# Altium PCB mainboard.PcbDoc (part 1 of 2) (continued)
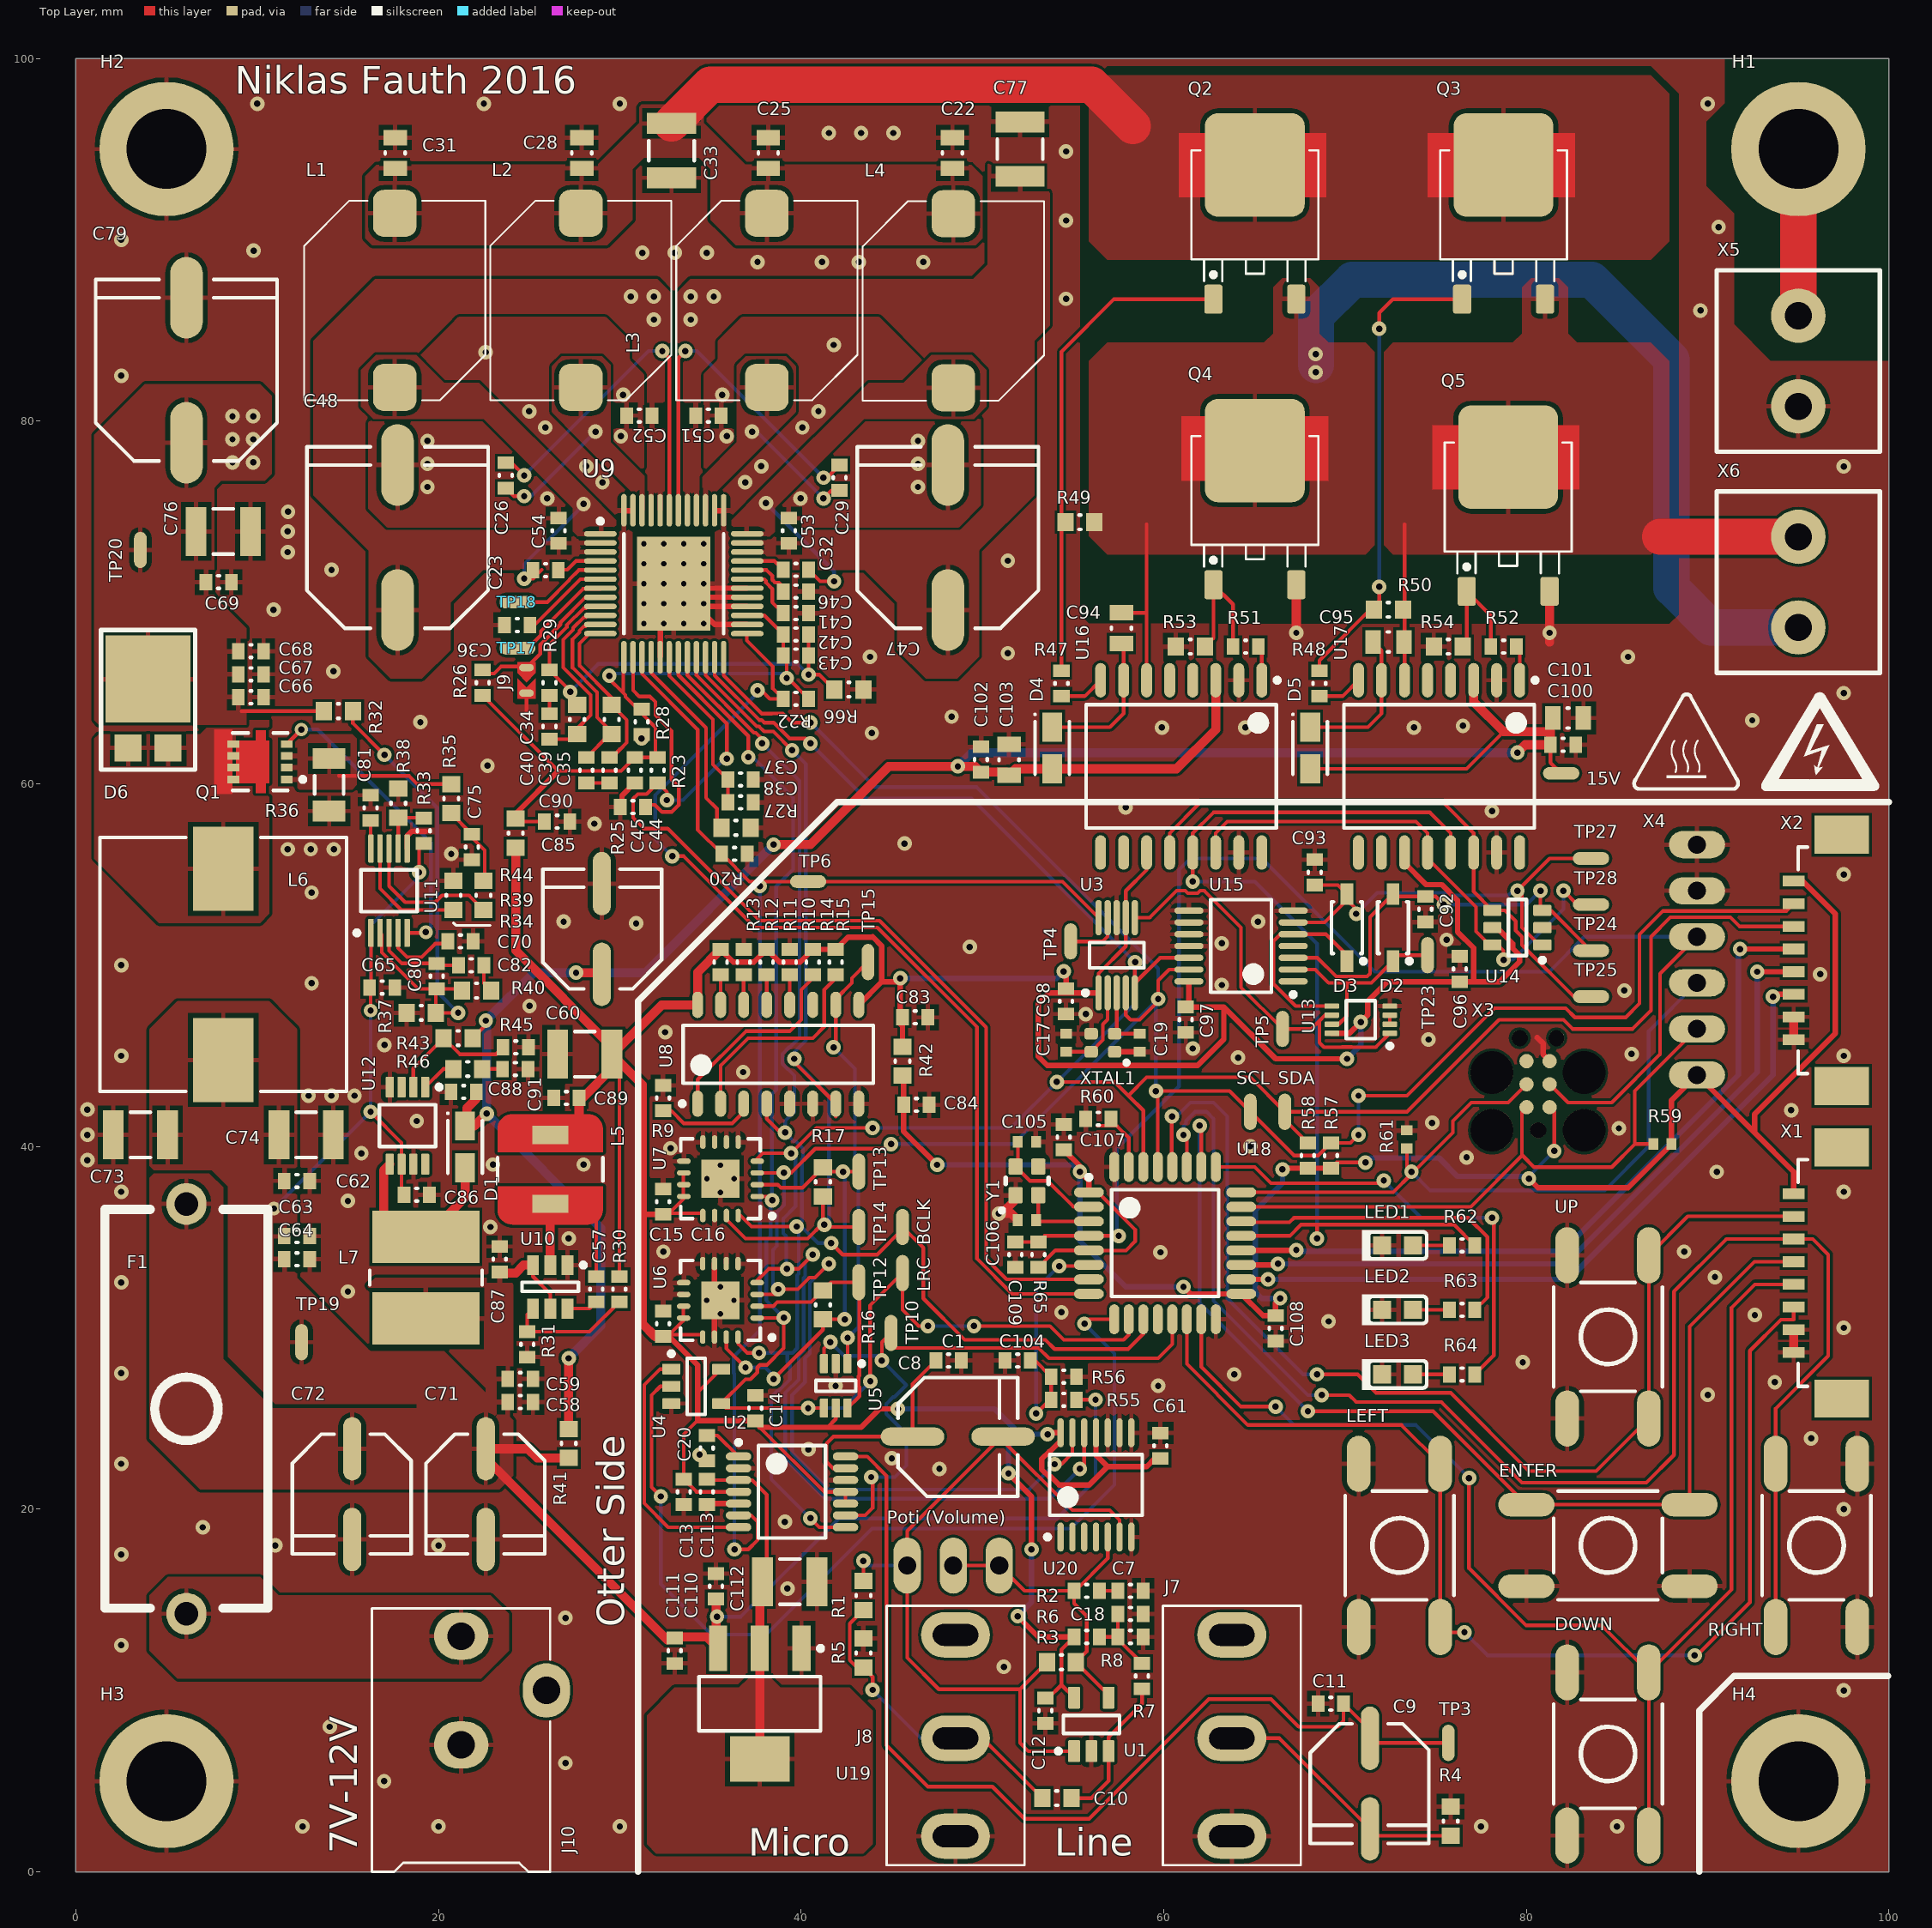
[diagram p0: Top Layer view]
## Components (designator, comment, footprint, x,y, rotation, side; value= is the part's Value field where it differs from the comment) (continued)
LRC "TP-SMD" TP 45.593,33.02 r90 top (schematic designator TP11)
"Poti (Volume)" "PINHEAD-3" PINHEAD-3 45.847,16.891 r0 top (schematic designator *1)
Q1 "NTTFS4930" ONSC-WDFN-8-511AB_V 10.16,61.214 r180 top
Q2 "IPD60R400" TO-252 65.024,90.424 r0 top
Q3 "IPD60R400" TO-252 78.74,90.424 r0 top
Q4 "IPD60R400" TO-252 65.024,74.676 r0 top
Q5 "IPD60R400" TO-252 78.993,74.312 r0 top
R1 "0" R-0603-M 43.434,15.24 r270 top
R2 "10k" R-0603-H 55.753,15.494 r0 top
R3 "100k" R-0603-M 54.356,11.557 r0 top
R4 "100k" R-0603-M 75.819,2.794 r270 top
R5 "100k" R-0603-M 43.434,12.065 r270 top
R6 "47k" R-0603-H 55.753,12.954 r180 top
R7 "470k" R-0603-H 58.801,10.795 r90 top
R8 "47k" R-0603-H 58.166,12.954 r180 top
R9 "10k" R-0603-H 32.385,42.672 r90 top
R10 "10k" R-0603-H 39.37,50.165 r90 top
R11 "10k" R-0603-H 38.1,50.165 r90 top
R12 "10k" R-0603-H 36.83,50.165 r90 top
R13 "10k" R-0603-H 35.56,50.165 r90 top
R14 "10k" R-0603-H 40.64,50.165 r90 top
R15 "10k" R-0603-H 41.91,50.165 r90 top
R16 "0" R-0603-M 41.199,31.267 r270 top
R17 "0" R-0603-M 41.199,38.049 r270 top
R20 "10k" R-0603-H 36.322,56.134 r180 top
R22 "10k" R-0603-H 39.709,64.686 r0 top
R23 "10k" R-0603-H 32.089,60.749 r90 top
R25 "10k" R-0603-H 30.723,58.717 r180 top
R26 "10k" R-0603-H 22.437,65.575 r90 top
R27 "18.3k" R-0603-M 36.407,57.574 r180 top
R28 "470" R-0603-H 29.422,60.749 r270 top
R29 "470" R-0603-H 26.12,65.575 r270 top
R30 "33k" R-0603-H 29.972,32.131 r90 top
R31 "10k" R-0603-H 24.892,29.083 r90 top
R32 "23.2k" R-0603-M 14.478,64.008 r180 top
R33 "10k" R-0603-H 19.177,57.404 r270 top
R34 "7.87k" R-0603-M 22.479,53.848 r90 top
R35 "100" R-0603-M 20.701,59.182 r90 top
R36 "0.02R" R-1206-M 13.97,59.944 r90 top
R37 "1.5k" R-0603-M 19.05,47.371 r0 top
R38 "3.09k" R-0603-M 17.78,58.928 r270 top
R39 "42.2k" R-0603-M 20.828,53.848 r270 top
R40 "1k" R-0603-M 22.1,48.592 r0 top
R41 "0" R-0603-M 27.178,23.622 r90 top
R42 "0" R-0603-M 45.593,44.704 r270 top
R43 "100k" R-0603-M 21.082,45.974 r0 top
R44 "0" R-0603-M 24.257,57.277 r90 top
R45 "10k" R-0603-H 24.257,45.466 r0 top
R46 "20k" R-0603-M 21.615,44.272 r180 top
R47 "3R3" R-0603-H 54.356,65.532 r90 top
R48 "3R3" R-0603-H 68.58,65.532 r90 top
R49 "100k" R-0603-M 55.372,74.422 r180 top
R50 "100k" R-0603-M 72.39,69.596 r180 top
R51 "3R3" R-0603-H 64.516,67.564 r180 top
R52 "3R3" R-0603-H 78.74,67.564 r180 top
R53 "100k" R-0603-M 61.468,67.564 r0 top
R54 "100k" R-0603-M 75.692,67.564 r0 top
R55 "2.2M" R-0603-H 54.483,26.035 r0 top
R56 "470k" R-0603-H 54.483,27.305 r180 top
R57 "4k7" R-0603-H 69.215,39.497 r270 top
R58 "4k7" R-0603-H 67.945,39.497 r270 top
R59 "24k" R-0402-M 87.503,40.132 r0 top
R60 "10k" R-0603-H 56.388,41.529 r0 top
R61 "24k" R-0402-M 73.406,40.386 r270 top
R62 "470" R-0603-H 76.454,34.544 r0 top
R63 "470" R-0603-H 76.454,30.988 r0 top
R64 "470" R-0603-H 76.454,27.432 r0 top
R65 "47k" R-0603-H 53.086,34.036 r270 top
R66 "0" R-0603-M 42.63,65.194 r0 top
RIGHT "RIGHT" BUTTON_TACT 96,18 r90 top (schematic designator SW3)
SCL "TP-SMD" TP 64.77,41.91 r90 top (schematic designator TP7)
SDA "TP-SMD" TP 66.675,41.91 r90 top (schematic designator TP8)
TP3 "TP-SMD" TP 75.692,7.112 r90 top
TP4 "TP-SMD" TP 54.864,51.308 r90 top
TP5 "TP-SMD" TP 66.548,46.482 r90 top
TP6 "TP-SMD" TP 40.386,54.61 r180 top
TP10 "TP-SMD" TP 44.958,29.718 r90 top
TP12 "TP-SMD" TP 43.18,32.512 r90 top
TP13 "TP-SMD" TP 43.18,38.608 r90 top
TP14 "TP-SMD" TP 43.18,35.56 r90 top
TP15 "TP-SMD" TP 43.688,50.165 r90 top
TP17 "TP-SMD" TP 24.342,67.48 r180 top
TP18 "TP-SMD" TP 24.342,70.02 r180 top
TP19 "TP-SMD" TP 12.446,29.21 r90 top
TP20 "TP-SMD" TP 3.556,72.898 r90 top
TP23 "TP-SMD" TP 74.549,50.546 r90 top
TP24 "TP-SMD" TP 83.566,50.8 r180 top
TP25 "TP-SMD" TP 83.566,48.26 r180 top
TP27 "TP-SMD" TP 83.566,55.88 r180 top
TP28 "TP-SMD" TP 83.566,53.34 r180 top
U1 "OPA313IDBVT" DBV0005A_M 56.007,8.128 r90 top
U2 "PCM1808" TSOP65P640X120-14N 39.497,20.955 r0 top
U3 "Si5351A-A-GT" SLAB-MSOP-10_M 57.404,50.546 r90 top
U4 "SN74LVC1G86DBVT" DBV0005A_N 34.214,26.772 r0 top
U5 "SN74AUP1T157" DCK0006A_M 41.91,26.797 r270 top
U6 "TPA5050" "QFN16-4x4-0.65 big holes" 35.544,31.514 r180 top
U7 "TPA5050" "QFN16-4x4-0.65 big holes" 35.553,38.217 r180 top
U8 "HEF4557" SOIC127P600X265-16N 38.735,45.085 r90 top
U9 "TI-TAS5715PHP48-4550X3600TP" TI-PHP48-4550X3600TP_N 32.975,71.032 r0 top
U10 "TPS563200" SOT23-6 26.162,32.258 r270 top
U11 "LM5022MM" DGS0010A_M 17.272,54.102 r90 top
U12 "LM2622MM-ADJ/NOPB" DGK0008A_L 18.288,41.148 r270 top
U13 "SN74LVC3G14DCUT" DCU0008A_N 70.866,46.99 r180 top
U14 "SN74LVC2G14DBVT" DBV0006A_N 79.502,52.07 r180 top
U15 "MAX5387MAUD+" MAXM-U14+1_N 64.262,51.054 r180 top
U16 "IR2110S" SOIC127P1030X265-16N 60.96,60.96 r270 top
U17 "IR2110S" SOIC127P1030X265-16N 75.184,60.96 r270 top
U18 "STM32F031K6T6" LQFP32 60.071,34.671 r0 top
U19 "LM1117-5.0" SOT-223 37.719,9.271 r270 top
U20 "MAX5387MAUD+" MAXM-U14+1_N 56.261,21.336 r90 top
UP "UP" BUTTON_TACT 84.5,29.5 r90 top (schematic designator SW1)
X1 "53261-0871" mlx-picoBlade-8p-right-SMD 94.742,33.02 r270 top
X2 "53261-0871" mlx-picoBlade-8p-right-SMD 94.742,50.262 r270 top
X3 "TC2050-IDC" TC2030-IDC 80.645,40.894 r90 top
X4 "22-28-4067" PINHEAD-MALE-6 89.408,43.942 r90 top
X5 "1935776" PHOENIX-2P-5mm 94.996,83.312 r270 top
X6 "1935776" PHOENIX-2P-5mm 94.996,71.12 r270 top
XTAL1 "25MHz" ABM11 56.642,45.72 r0 top
Y1 "16MHz" ABM10 52.451,38.1 r90 top

## Footprints (in the part's own frame and the unit in brackets; to place one, negate y for a bottom-side part, rotate by r counter-clockwise, add the part's x,y. Pads: shape width x height; smd on the part's side, far side on the other; paste and mask are expansions set on the pad)
ABM10 [mm]
  rrect25% 0.9x0.8 smd: 1(-0.787,-0.625) 2(0.788,-0.625) 3(0.788,0.625) 4(-0.787,0.625)
  silkscreen extent -1.72,-1.19 0.16,1.47, body extent -1.3,-1.05 1.3,1.05, height 0.71
ABM11 [mm]
  rrect50% 0.75x0.65 smd: 1(-0.65,-0.5) 2(0.65,-0.5) 3(0.65,0.5) 4(-0.65,0.5)
  silkscreen extent 1.2,-1.2 1.4,-1, body extent -1,-0.85 1,0.75, height 0.62
BUTTON_TACT [mm]
  oval 3.1x1.3 smd: 1(-4.5,2.25) 2(4.5,2.25) 3(-4.5,-2.25) 4(4.5,-2.25)
  silkscreen extent -3,-3 3,3, body extent -5,-3 5,3, height 5.07
C-0402-M [mm] "Chip Resistor, Body 1.0x0.5mm, IPC Medium Density"
  rect 0.55x0.65 smd: 1(-0.5,0) 2(0.5,0)
  body extent -0.52,-0.27 0.53,0.28, height 0.55
C-0603-H [mm] "Chip Resistor, Body 1.6x0.8mm, IPC High Density"
  rect 0.7x0.9 smd: 1(-0.7,0) 2(0.7,0)
  silkscreen extent -0.05,-0.35 0.05,0.35, body extent -0.85,-0.45 0.85,0.45, height 0.9
C-0603-M [mm] "Chip Resistor, Body 1.6x0.8mm, IPC Medium Density"
  rect 0.9x1 smd: 1(-0.8,0) 2(0.8,0)
  silkscreen extent -0.05,-0.4 0.05,0.4, body extent -0.85,-0.45 0.85,0.45, height 0.9
C-0805-H [mm] "Chip Resistor, Body 2.0x1.3mm, IPC High Density"
  rect 0.85x1.3 smd: 1(-0.85,0) 2(0.85,0)
  silkscreen extent -0.05,-0.55 0.05,0.55, body extent -1.1,-0.72 1.1,0.73, height 1.35
C-1210-M [mm] "Chip Resistor, Body 3.2x2.5mm, IPC Medium Density"
  rect 1.15x2.7 smd: 1(-1.5,0) 2(1.5,0)
  silkscreen extent -0.55,-1.25 0.55,1.25, body extent -1.8,-1.4 1.8,1.4, height 2.2
CONN_AudioJackMono [mm] "CUI MJ-3502 3.5mm audio jack - mono"
  oval 2.5x3.8 hole 1.2 slot 2.5 at 90 deg: 1(2.2,0) 2(7.6,0) 3(13.3,0)
  silkscreen extent 0.6,-3.8 14.9,3.8, body extent -4,-3.75 14.5,3.75, height 11.3
CONN_PWR_JACK_2.1x5.5mm [mm] "Power Connector, 2.1mm ID, 5.5mm OD"
  oval 3x2.6 hole 1.511: 1(0,-13.7) 2(0,-7.7)
  oval 2.6x3 hole 1.511: 3(-4.7,-10.7)
  silkscreen extent -4.9,-15.23 4.92,-0.7, body extent -4.9,-14.1 4.5,0, height 11
DBV0005A_M [mm] "SOT23, 5-Leads, Body 3.05x1.75mm, Pitch 0.95mm, IPC Low Density"
  rrect15% 1.2x0.65 smd: 1(-1.475,0.95) 2(-1.475,0) 3(-1.475,-0.95) 4(1.475,-0.95) 5(1.475,0.95)
  silkscreen extent -1.6,-1.55 0.5,1.95, body extent -1.42,-1.46 1.42,1.46, height 1.08
DBV0005A_N [mm] "SOT23, 5-Leads, Body 3.05x1.75mm, Pitch 0.95mm, IPC Medium Density"
  rrect17% 1x0.6 smd: 1(-1.375,0.95) 2(-1.375,0) 3(-1.375,-0.95) 4(1.375,-0.95) 5(1.375,0.95)
  silkscreen extent -1.5,-1.55 0.5,1.92, body extent -1.42,-1.46 1.42,1.46, height 1.08
DBV0006A_N [mm] "SOT23, 6-Leads, Body 3.05x1.75mm, Pitch 0.95mm, IPC Medium Density"
  rrect17% 1x0.6 smd: 1(-1.375,0.95) 2(-1.375,0) 3(-1.375,-0.95) 4(1.375,-0.95) 5(1.375,0) 6(1.375,0.95)
  silkscreen extent -1.5,-1.55 0.5,1.92, body extent -1.42,-1.46 1.42,1.46, height 1.11
DCK0006A_M [mm] "SOT23, 6-Leads, Body 2.15x1.4mm, Pitch 0.65mm, IPC Low Density"
  rrect22% 1.05x0.45 smd: 1(-1.225,0.65) 2(-1.225,0) 3(-1.225,-0.65) 4(1.225,-0.65) 5(1.225,0) 6(1.225,0.65)
  silkscreen extent -1.35,-1.1 0.3,1.55, body extent -1.14,-1 1.14,1, height 0.94
DCU0008A_N [mm] "SOP, 8-Leads, Body 2.4x2.1mm, Pitch 0.5mm, IPC Medium Density"
  rrect33% 0.8x0.3 smd: 1(-1.6,0.75) 2(-1.6,0.25) 3(-1.6,-0.25) 4(-1.6,-0.75) 5(1.6,-0.75) 6(1.6,-0.25) 7(1.6,0.25) 8(1.6,0.75)
  silkscreen extent -1.73,-1.05 0.8,1.57, body extent -1.56,-1 1.56,1, height 0.9
DGK0008A_L [mm] "TSOP, 8-Leads, Body 3.1x3.1mm, Pitch 0.65mm, IPC High Density"
  rrect22% 1.15x0.45 smd: 1(-2.125,0.975) 2(-2.125,0.325) 3(-2.125,-0.325) 4(-2.125,-0.975) 5(2.125,-0.975) 6(2.125,-0.325) 7(2.125,0.325) 8(2.125,0.975)
  silkscreen extent -2.25,-1.55 1.15,1.88, body extent -2.45,-1.5 2.45,1.5, height 0.94
DGS0010A_M [mm] "SOP, 10-Leads, Body 3.1x3.1mm, Pitch 0.5mm, IPC Low Density"
  rrect33% 1.55x0.3 smd: 1(-2.325,1) 2(-2.325,0.5) 3(-2.325,0) 4(-2.325,-0.5) 5(-2.325,-1) 6(2.325,-1) 7(2.325,-0.5) 8(2.325,0) 9(2.325,0.5) 10(2.325,1)
  silkscreen extent -2.45,-1.55 1.15,1.9, body extent -2.45,-1.5 2.45,1.5, height 0.94
"DO-219AB (SMF)" [mm] "Molded Diode, 2-Leads, Body 2,80x1,80mm, IPC Medium Density"
  rect 1.6x1.1 smd: 1(-1.15,0) 2(1.15,0)
  silkscreen extent -1.45,-0.95 1.9,1, body extent -1.45,-0.95 1.45,0.95, height 1
FUSE-22.5 [mm]
  oval 2.3x2.2 hole 1.3: 1(-11.3,0) 2(11.3,0)
  silkscreen extent -11,-4.5 11,4.5, body extent -11.58,-4.5 11.58,4.5, height 13.44
jmpr [mm]
  oval 0.4x0.8 smd: 1(-0.7,0) 2(0.7,0)
  Top Layer region: 0.1,0.5 -0.4,0 0.1,-0.5 -1,-0.5 -1,0.5
  Top Layer region: -0.1,0 0.4,-0.5 1,-0.5 1,0.5 0.4,0.5
L-SDR1105 [mm]
  rrect50% 2.4x2.6 smd: 1(0,-4.8) 2(0,4.8)
  silkscreen extent -5,-5.5 5,5.5, body extent -5,-5.55 5,5.55, height 4.8
LED-0603-RED [mm] "SMT LED, 2-Leads, Body 1.6x0.8mm (0603-Size)"
  rect 1x1 smd paste+0 mask+0: 1(0.85,0) 2(-0.85,0)
  silkscreen extent -1.97,-0.85 1.6,0.85, body extent -0.85,-0.45 0.85,0.45, height 0.9
LQFP32 [mm] "Thin QFP, 32-Leads, Body 7x7mm, Pitch 0.8mm, IPC Medium Density"
  oval 1.65x0.55 smd: 1(-4.2,2.8) 2(-4.2,2) 3(-4.2,1.2) 4(-4.2,0.4) 5(-4.2,-0.4) 6(-4.2,-1.2) 7(-4.2,-2) 8(-4.2,-2.8) 17(4.2,-2.8) 18(4.2,-2) 19(4.2,-1.2) 20(4.2,-0.4) 21(4.2,0.4) 22(4.2,1.2) 23(4.2,2) 24(4.2,2.8)
  oval 0.55x1.65 smd: 9(-2.8,-4.2) 10(-2,-4.2) 11(-1.2,-4.2) 12(-0.4,-4.2) 13(0.4,-4.2) 14(1.2,-4.2) 15(2,-4.2) 16(2.8,-4.2) 25(2.8,4.2) 26(2,4.2) 27(1.2,4.2) 28(0.4,4.2) 29(-0.4,4.2) 30(-1.2,4.2) 31(-2,4.2) 32(-2.8,4.2)
  silkscreen extent -4.32,-2.95 2.95,3.75, body extent -4.52,-4.52 4.52,4.52, height 1.65
MAXM-U14+1_N [mm] "SOP, 14-Leads, Body 5x4.4mm, Pitch 0.65mm, IPC Medium Density"
  oval 1.6x0.35 smd: 1(-2.875,1.95) 2(-2.875,1.3) 3(-2.875,0.65) 4(-2.875,0) 5(-2.875,-0.65) 6(-2.875,-1.3) 7(-2.875,-1.95) 8(2.875,-1.95) 9(2.875,-1.3) 10(2.875,-0.65) 11(2.875,0) 12(2.875,0.65) 13(2.875,1.3) 14(2.875,1.95)
  silkscreen extent -3,-2.55 1.68,2.8, body extent -2.25,-2.55 2.25,2.55, height 1.1
mlx-picoBlade-8p-right-SMD [mm]
  rect 2.1x3 smd: 0(-6.925,2.65) 0(6.925,2.65)
  rect 0.6x1.2 smd: 1(-4.375,0) 2(-3.125,0) 3(-1.875,0) 4(-0.625,0) 5(0.625,0) 6(1.875,0) 7(3.125,0) 8(4.375,0)
  silkscreen extent -6.25,0.25 6.25,0.75, body extent -7.57,-0.35 7.58,4.85, height 3.4
ONSC-WDFN-8-511AB_V [mm] "DFN, 8-Leads, Body 3.05x3.05mm, Pitch 0.65mm"
  rect 0.66x0.42 smd: 1(-1.47,0.975) 2(-1.47,0.325) 3(-1.47,-0.325) 4(-1.47,-0.975) 5(1.47,-0.975) 6(1.47,-0.325) 7(1.47,0.325) 8(1.47,0.975)
  Top Layer region: 0.25,-1.73 0.25,1.73 -0.32,1.73 -0.32,-1.73
  Top Layer region: 1.33,-1.185 1.33,1.185 -0.5,1.185 -0.5,-1.185
  silkscreen extent -2.48,-1.59 1.53,1.59, body extent -1.53,-1.53 1.53,1.53, height 0.8
PHOENIX-2P-5mm [mm]
  round 3 hole 1.5: 1(-2.5,0) 2(2.5,0)
  silkscreen extent -5,-4.5 5,4.5, body extent -5,-4.5 5,4.5, height 13.55
PINHEAD-3 [mm]
  oval 1.5x3.1 hole 1: 1(0,0) 2(2.54,0) 3(5.08,0)
  body extent -1.27,-1.22 6.35,1.27, height 8.54
PINHEAD-MALE-6 [mm]
  oval 1.5x3.1 hole 1: 1(0,0) 2(2.54,0) 3(5.08,0) 4(7.62,0) 5(10.16,0) 6(12.7,0)
  body extent -1.27,-1.24 13.97,1.25, height 8.54
"QFN16-4x4-0.65 big holes" [mm] "QFN, 16-Leads, Body 4x4mm, Pitch 0.65mm, Thermal Pad 2.1x2.1mm, IPC Medium Density"
  oval 0.75x0.3 smd: 1(-2.025,0.975) 2(-2.025,0.325) 3(-2.025,-0.325) 4(-2.025,-0.975) 9(2.025,-0.975) 10(2.025,-0.325) 11(2.025,0.325) 12(2.025,0.975)
  oval 0.3x0.75 smd: 5(-0.975,-2.025) 6(-0.325,-2.025) 7(0.325,-2.025) 8(0.975,-2.025) 13(0.975,2.025) 14(0.325,2.025) 15(-0.325,2.025) 16(-0.975,2.025)
  rect 2.1x2.1 smd paste-1.05: 17(0,0)
  silkscreen extent -2.98,-2.2 2.2,2.2, body extent -2.05,-2.05 2.05,2.05, height 0.8
R-0402-M [mm] "Chip Resistor, Body 1.0x0.5mm, IPC Medium Density"
  rect 0.55x0.65 smd: 1(-0.5,0) 2(0.5,0)
  body extent -0.53,-0.27 0.52,0.28, height 0.4
R-0603-H [mm] "Chip Resistor, Body 1.6x0.8mm, IPC High Density"
  rect 0.7x0.9 smd: 1(-0.7,0) 2(0.7,0)
  silkscreen extent -0.05,-0.35 0.05,0.35, body extent -0.87,-0.47 0.88,0.48, height 0.55
R-0603-M [mm] "Chip Resistor, Body 1.6x0.8mm, IPC Medium Density"
  rect 0.9x1 smd: 1(-0.8,0) 2(0.8,0)
  silkscreen extent -0.05,-0.4 0.05,0.4, body extent -0.87,-0.47 0.88,0.48, height 0.55
R-1206-M [mm] "Chip Resistor, Body 3.2x1.6mm, IPC Medium Density"
  rect 1.15x1.8 smd: 1(-1.45,0) 2(1.45,0)
  silkscreen extent -0.5,-0.8 0.5,0.8, body extent -1.62,-0.82 1.63,0.83, height 0.7
SDR0604 [mm]
  rect 2x1 smd: 1(0,-1.9) 2(0,1.9)
  Top Layer region: -2.9,-0.943 2.9,-0.943 2.9,-2.243 2.839,-2.549 2.666,-2.809 2.406,-2.982 2.1,-3.043 2.1,-3.043 -2.1,-3.043 -2.406,-2.982 -2.666,-2.809 -2.839,-2.549 -2.9,-2.243 -2.9,-2.243
  Top Layer region: 2.9,0.943 -2.9,0.943 -2.9,2.243 -2.839,2.549 -2.666,2.809 -2.406,2.982 -2.1,3.043 -2.1,3.043 2.1,3.043 2.406,2.982 2.666,2.809 2.839,2.549 2.9,2.243 2.9,2.243
  silkscreen extent -2.9,-0.65 2.9,0.65, body extent -2.8,-2.75 2.8,2.75, height 4.55
SLAB-MSOP-10_M [mm] "SOP, 10-Leads, Body 3x3mm, Pitch 0.5mm, IPC Low Density"
  oval 1.95x0.35 smd: 1(-2.075,1) 2(-2.075,0.5) 3(-2.075,0) 4(-2.075,-0.5) 5(-2.075,-1) 6(2.075,-1) 7(2.075,-0.5) 8(2.075,0) 9(2.075,0.5) 10(2.075,1)
  silkscreen extent -2.2,-1.5 0.7,1.85, body extent -1.5,-1.5 1.5,1.5, height 1.1
SMD-6.3-3.9 [mm]
  oval 3.5x1 smd: 1(-2.5,0) 2(2.5,0)
  silkscreen extent -3.3,-3.25 3.3,3.3, body extent -3.5,-3.33 3.5,3.27, height 4.01
SMD-6.3-5.4 [mm]
  oval 3.5x1 smd: 1(-2.5,0) 2(2.5,0)
  silkscreen extent -3.3,-3.25 3.3,3.3, body extent -3.5,-3.3 3.5,3.3, height 5.4
SMD-6.3-7.7 [mm]
  oval 3.5x1 smd: 1(-2.5,0) 2(2.5,0)
  silkscreen extent -3.3,-3.25 3.3,3.3, body extent -3.65,-3.3 3.65,3.3, height 7.7
SMD-10x10 [mm]
  oval 4.5x1.8 smd: 1(-4,0) 2(4,0)
  silkscreen extent -5,-5 5,5, body extent -5.45,-5.15 5.45,5.15, height 10
SOD123 [mm]
  rect 1.2x0.7 smd: 1(-1.85,0) 2(1.85,0)
  silkscreen extent -1.43,-0.85 1.97,1.03, body extent -1.93,-0.85 1.93,0.85, height 1.42
SOIC127P600X265-16N [mm] "SOIC, 16-Leads, Body 10,30x3,90mm, Pitch 1,27mm, IPC Medium Density"
  oval 1.45x0.6 smd: 1(-2.725,4.445) 2(-2.725,3.175) 3(-2.725,1.905) 4(-2.725,0.635) 5(-2.725,-0.635) 6(-2.725,-1.905) 7(-2.725,-3.175) 8(-2.725,-4.445) 9(2.725,-4.445) 10(2.725,-3.175) 11(2.725,-1.905) 12(2.725,-0.635) 13(2.725,0.635) 14(2.725,1.905) 15(2.725,3.175) 16(2.725,4.445)
  silkscreen extent -2.85,-5.25 1.6,5.42, body extent -2,-5.25 2,5.25, height 2.65
SOIC127P1030X265-16N [mm] "SOIC, 16-Leads, Body 10,30x7,50mm, Pitch 1,27mm, IPC Medium Density"
  oval 1.9x0.6 smd: 1(-4.75,4.445) 2(-4.75,3.175) 3(-4.75,1.905) 4(-4.75,0.635) 5(-4.75,-0.635) 6(-4.75,-1.905) 7(-4.75,-3.175) 8(-4.75,-4.445) 9(4.75,-4.445) 10(4.75,-3.175) 11(4.75,-1.905) 12(4.75,-0.635) 13(4.75,0.635) 14(4.75,1.905) 15(4.75,3.175) 16(4.75,4.445)
  silkscreen extent -4.87,-5.25 3.4,5.42, body extent -3.8,-5.25 3.8,5.25, height 2.65
SOT23-6 [mm] "SOT23, 6-Leads, Body 2.9x1.6mm, Pitch 0.95mm, Lead Span 2.8mm, IPC Medium Density"
  rect 1.1x0.65 smd: 1(-1.2,0.95) 2(-1.2,0) 3(-1.2,-0.95) 4(1.2,-0.95) 5(1.2,0) 6(1.2,0.95)
  silkscreen extent -1.32,-1.55 0.25,1.95, body extent -1.4,-1.45 1.4,1.45, height 1.45
SOT-223 [mm] "SOT223, 4-Leads, Body 6.5x3.5mm, Pitch 2.3mm, Lead Span 7mm, IPC Low Density"
  rect 2.5x1 smd: 1(-3.05,2.3) 2(-3.05,0) 3(-3.05,-2.3)
  rect 2.5x3.3 smd: 4(3.05,0)
  silkscreen extent -3.17,-3.35 1.5,3.48, body extent -3.5,-3.25 3.5,3.25, height 1.64
SRN6028 [mm]
  rect 2.9x5.9 smd: 1(-2.25,0) 2(2.25,0)
  silkscreen extent -0.4,-3.1 0.4,3.1, body extent -3.15,-3.05 3.15,3.05, height 2.9
SRP1250 [mm]
  rect 4.65x3.35 smd: 1(-5.275,0) 2(5.275,0)
  silkscreen extent -7,-6.8 7,6.8, body extent -7.07,-6.78 7.07,6.78, height 5.3
TC2030-IDC [mil]
  round 31 smd paste-30.98: 1(50,-25) 2(50,25) 3(100,-25) 4(100,25) 5(150,-25) 6(150,25)
  round 34 hole 35 unplated: A(0,0) B(200,40) C(200,-40)
  round 92 hole 93 unplated: D(0,-100) E(125,-100) F(0,100) G(125,100)
TI-PHP48-4550X3600TP_N [mm] "QFP, 48-Leads, Body 7x7mm, Pitch 0.5mm, Thermal Pad 5.17x4.04mm, IPC Medium Density"
  oval 1.8x0.3 smd: 1(-4.05,2.75) 2(-4.05,2.25) 3(-4.05,1.75) 4(-4.05,1.25) 5(-4.05,0.75) 6(-4.05,0.25) 7(-4.05,-0.25) 8(-4.05,-0.75) 9(-4.05,-1.25) 10(-4.05,-1.75) 11(-4.05,-2.25) 12(-4.05,-2.75) 25(4.05,-2.75) 26(4.05,-2.25) 27(4.05,-1.75) 28(4.05,-1.25) 29(4.05,-0.75) 30(4.05,-0.25) 31(4.05,0.25) 32(4.05,0.75) 33(4.05,1.25) 34(4.05,1.75) 35(4.05,2.25) 36(4.05,2.75)
  oval 0.3x1.8 smd: 13(-2.75,-4.05) 14(-2.25,-4.05) 15(-1.75,-4.05) 16(-1.25,-4.05) 17(-0.75,-4.05) 18(-0.25,-4.05) 19(0.25,-4.05) 20(0.75,-4.05) 21(1.25,-4.05) 22(1.75,-4.05) 23(2.25,-4.05) 24(2.75,-4.05) 37(2.75,4.05) 38(2.25,4.05) 39(1.75,4.05) 40(1.25,4.05) 41(0.75,4.05) 42(0.25,4.05) 43(-0.25,4.05) 44(-0.75,4.05) 45(-1.25,4.05) 46(-1.75,4.05) 47(-2.25,4.05) 48(-2.75,4.05)
  rect 4.04x5.17 smd: 49(0,0)
  silkscreen extent -4.17,-2.75 2.75,3.57, body extent -3.5,-3.5 3.5,3.5, height 1.2
TO-252 [mm] "D-PAK/TO-252-AA; 3 Leads (1 Cropped); Body 10.3 (inc. leads) x 6.7 mm (LxW max)"
  round 0.5 on Mech15: 0(0,0)
  rrect25% 1x1.6 smd: 1(-2.285,-3.7) 2(2.285,-3.7)
  rrect25% 5.5x5.7 smd: 3(0,3.7)
  silkscreen extent -3.5,-2.7 3.5,4.5, body extent -3.3,-3.95 3.3,5.76, height 2.31
TO-277A [mm] "D-PAK, 3-Pads, Body 6,20x6,72mm (max), IPC Medium Density"
  rect 1.5x1.5 smd: 1(-2.3,1.1) 3(-2.3,-1.1)
  rect 4.8x4.7 smd: 2(1.5,0)
  silkscreen extent -3.5,-2.6 4.2,2.6
TP [mm]
  oval 2x0.7 smd: 1(0,0)
TSOP65P640X120-14N [mm] "TSOP, 14-Leads, Body 5,00x4,40mm, Pitch 0,65mm, IPC Medium Density"
  oval 1.4x0.45 smd: 1(-2.95,1.95) 2(-2.95,1.3) 3(-2.95,0.65) 4(-2.95,0) 5(-2.95,-0.65) 6(-2.95,-1.3) 7(-2.95,-1.95) 8(2.95,-1.95) 9(2.95,-1.3) 10(2.95,-0.65) 11(2.95,0) 12(2.95,0.65) 13(2.95,1.3) 14(2.95,1.95)
  silkscreen extent -3.07,-2.55 1.85,2.85, body extent -3.2,-2.55 3.2,2.55, height 1.2
WE-Standoff-5MM-M3-Female [mm]
  round 7.4 smd paste-10: 0(0,0)
  round 0 hole 4.4 unplated: 0(0,0)
  body extent -2.98,-2.99 3,2.99, height 5

## Part data
C1 C11 C75 C92 C93: library part C-0603-1n-50V, "Capacitor 1nF 50V"
C7 C46 C82: library part C-0603-1u-25V, "Capacitor 1uF 25V"
C8 C9: library part CE-SMD-22u-35V, "electrolytic capacitor 22u 35V"
C10: library part C-0603-33n-50V, "Capacitor 33nF 50V"
C12 C13 C14 C15 C16 C18 C37 C41 C42 C44 C57 C62 C63 C64 C65 C83 C84 C89 C90 C96 C98 C100 C102 C104 C107 C109 C113: library part C-0603-100n-25V, "Capacitor 100n 25V"
C17 C19: library part C-0402-22p-25V, "Capacitor 22pF 25V"
C20: library part C-0603-10u-16v, "Capacitor 10uF 16v"
C22 C25 C28 C31: library part C-0805-100n-50V
C23 C26 C29 C32 C91: library part C-0603-3n3-50V, "Capacitor 3.3n 50V"
C33: library part C-1210-2u2-100V, "Capacitor 2.2uF 100V"
C34 C35: library part C-0603-4n7-50V, "Capacitor 4.7n 50V"
C36 C80: library part C-0603-2n2-50V, "Capacitor 2.2n 50V"
C38 C43 C45 C97: library part C-0603-4u7-10V, "Capacitor 4.7uF 10V"
C39 C40: library part C-0603-47n-50V_1, "Capacitor 47nF 50V"
C47 C48 C79: library part CE-SMD-220u-35V, "electrolytic capacitor 220u 35V"
C51 C52 C53 C54 C58 C61 C66 C67 C68 C69 C70 C86 C88 C110: library part C-0603-100n-50V, "Capacitor 100n 50V"
C59 C87 C111: library part C-0603-2u2-16V, "Capacitor 2.2uF 16V"
C60 C76 C77 C112: library part C-1210-22u-25V, "Capacitor 22uF 25V"
C71 C72: library part CE-SMD-100u-16V, "electrolytic capacitor 100uF 16V"
C73 C74: library part C-1210-47u-16V, "Capacitor 47uF 16V"
C81: library part C-0603-10n-50V, "Capacitor 10nF 50V"
C85: library part CE-SMD-100u-35V, "electrolytic capacitor 100uF 35V"
C94 C95 C101 C103: library part C-0805-10u-25V, "Capacitor 10u 25V"
C105 C106: library part C-0402-18p-50V, "Capacitor 18p 50V"
C108: library part C-0603-10u-6,3V, "Capacitor 10uF 6,3V"
D1 D4 D5: library part D-SS1FH10
D2 D3: library part D-BAT54T1G
D6: library part D-SS10PH10, "SS10PH10"
DOWN ENTER LEFT RIGHT UP: library part SWITCH-TACTILE
F1: library part FUSE-20x5
H1 H2 H3 H4: library part WE-Standoff-M3-5MM-Female, "WE-Standoff-M3-5MM-Female"
J7 J8: library part CONN_AUDIOJACKMONO_3.5mm_RA_THD, "3.5mm Audio jack - Mono"
J9: library part jmpr
J10: "Power Connector, THT, 2.1mm ID, 5.5mm OD"
L5: library part L-SDR0604-330KL
L6: library part L-4u7-SRP1250, "SRP1250-472"
L7: library part L-100u-SRN6028, "SRN6028-101M"
Q1: library part CMP-1058-01046-1, "Power MOSFET, 30 V, 23 A, Single N-Channel, 8-Pin WDFN, Pb-Free, Tape and Reel"
Q2 Q3 Q4 Q5: library part MOSFET-IPD60R400
R1 R16 R17 R41 R42 R44 R66: library part R-0603-0, "Resistor 0"
R2 R9 R10 R11 R12 R13 R14 R15 R20 R22 R23 R25 R26 R31 R33 R45 R60: library part R-0603-10k, "Resistor 10k"
R3 R4 R5 R43 R49 R50 R53 R54: library part R-0603-100k, "Resistor 100k"
R6 R8 R65: library part R-0603-47k, "Resistor 4k7"
R7 R56: library part R-0603-470k, "Resistor 470k"
R27: library part R-0603-18k3, "Resistor 18.3k"
R28 R29 R62 R63 R64: library part R-0603-470, "Resistor 470"
R30: library part R-0603-33k, "Resistor 33k"
R32: library part R-0603-23k3, "Resistor 23k3"
R34: library part R-0603-7k87, "Resistor 7.87k"
R35: library part R-0603-100, "Resistor 100"
R36: library part R-1206-0R02, "Resistor 0.02"
R37: library part R-0603-1k5, "Resistor 1.5k"
R38: library part R-0603-3k09, "Resistor 3.09k"
R39: library part R-0603-42k2, "Resistor 42.2k"
R40: library part R-0603-1k, "Resistor 1k"
R46: library part R-0603-20k, "Resistor 20k"
R47 R48 R51 R52: library part R-0603-3R3, "Resistor 3R3"
R55: library part R-0603-2M2, "Resistor 2.2M"
R57 R58: library part R-0603-4k7, "Resistor 4k7"
R59 R61: library part R-0402-24k, "Resistor 24k"
U1: library part CMP-0810-00003-2, "1-MHz, Micropower, Low-Noise, Rail-to-Rail I/O Operational Amplifier, 1.8 to 5.5 V, -40 to 125 degC, 5-pin SOT23 (DBV5), Green (RoHS & no Sb/Br)"
U3: library part CMP-0510-00011-1, "I2C-Programmable Any-Frequency CMOS Clock Generator + VCXO, 2.5 / 3.3 V, 0.008 to 160 MHz Output, -40 to 85 degC, 10-pin SOP"
U4: library part CMP-0859-00170-3, "Single 2-Input Exclusive-OR Gate, DBV0005A, SMALL T&R"
U5: library part CMP-0859-00521-3, "Low Power, 1.8/2.5/3.3-V In, 3.3-V CMOS Out, Buffer Multiplexer (Noninverted), DCK0006A, LARGE T&R"
U10: "4.5-V To 17-V Input, 3-A Synchronous Step-Down Voltage Regulator"
U11: library part CMP-0069-01840-3, "60V Low Side Controller for Boost and SEPIC, 10-pin MSOP"
U12: library part CMP-0069-01735-3, "600kHz/1.3MHz Step-up PWM DC/DC Converter, 8-pin MSOP, Pb-Free"
U13: library part CMP-0859-00634-3, "Triple Schmitt-Trigger Inverter, DCU0008A, SMALL T&R"
U14: library part CMP-0859-00239-3, "Dual Schmitt-Trigger Inverter, DBV0006A, SMALL T&R"
U15 U20: library part CMP-0022-00051-1, "Dual, Low-Voltage Digital Potentiometer with I2C Control Interface, Volatile, Linear Taper, 256 Steps, -40 to 125 degC, 14-pin TSSOP (U14+1), Pb-Free"
U19: "5V voltage regulator"
X1 X2: library part MLX-picoBlade-8P-right-SMD
X3: library part TAG-Connect-SWD, "TC2050-IDC SWD"
X4: library part PINHEAD-MALE-6
X5 X6: library part PHOENIX-2P-5MM
XTAL1: library part ABM11-25MHz
Y1: library part ABM10-16MHz

## Via types
v1: diameter 0.8, hole 0.35, Top Layer to Bottom Layer, 310 vias
v2: diameter 0.75, hole 0.3, Top Layer to Bottom Layer, 20 vias
v3: diameter 0.5, hole 0.3, Top Layer to Bottom Layer, 8 vias
v4: diameter 0.75, hole 0.35, Top Layer to Bottom Layer, 4 vias

## Nets (pads, with @x,y where several pads share a name; then routed paths per layer and width w, separated by ;. In a path a pad name is that pad's centre, name@x,y a point inside that pad or via, vN(x,y) a via of type N, cw(c..) or ccw(c..) an arc to the next point about the centre after c; other vN are vias at no path point)
3V3: C12.2 C13.2 C14.2 C15.2 C16.2 C60.2 C61.2 C83.2 C89.2 C96.2 C97.2 C98.2 L5.2 R6.2 R11.2 R13.2 R14.2 R15.2 R30.2 R42.1 R44.1 U1.5 U2.4 U2.10 U2.11 U3.1 U3.7 U4.5 U5.5 U6.11 U6.12 U6.13 U7.10 U7.11 U7.12 U7.13 U8.9 U8.16 U13.8 U14.5 U15.14 U16.11 U17.11 U20.11 U20.14 | length 238.5
  Top Layer w0.2: C60.2@29.567,44.299 29.972,43.894 R30.2@29.972,32.831 ; C16.2@32.385,29.526 32.704,29.526 C16.2@32.725,29.505 ; C15.2@32.385,36.257 32.665,36.257 C15.2@32.725,36.318 ; U6.11@33.65,31.193 33.65,31.189 33.503,31.042 33.503,30.395 32.725,29.618 U6.13@34.575,29.618 ; U7.10@33.65,38.543 33.503,38.395 33.503,37.892 33.503,37.095 C15.2@32.725,36.318 ; 34.29,24.892 33.528,24.13 C13.2@33.528,21.655 34.228,20.955 U2.4@36.547,20.955 ; 34.29,26.423 U4.5@35.589,27.722 ; U7.13@34.575,36.318 C15.2@32.725,36.318 ; C14.2@37.465,24.872 37.719,24.618 37.719,24.511 41.275,20.955 U2.11@42.447,20.955 U2.10@42.447,20.305 ; 41.449,24.511 41.91,24.972 U5.5@41.91,25.572 ; C12.2@53.467,9.59 53.642,9.59 54.356,10.304 ; R6.2@55.053,12.954 54.356,12.257 54.356,10.304 ; U1.5@55.057,9.603 54.356,10.304 ; U3.1@56.404,48.471 56.404,49.546 57.904,51.046 U3.7@57.904,52.621 57.904,54.094 59.055,55.245 U16.11@59.055,56.21
  Top Layer w0.3: 31.242,36.322 31.307,36.257 C15.2@32.385,36.257 ; C16.2@32.725,29.618 32.725,29.505 34.29,27.94 34.29,26.423 34.29,24.892 34.31,24.872 C14.2@37.465,24.872 ; R13.2@35.56,50.865 36.26,50.165 37.4,50.165 R11.2@38.1,50.865 38.8,50.165 39.94,50.165 R14.2@40.64,50.865 R15.2@41.91,50.865 42.588,51.543 43.923,51.543 43.942,51.562 44.45,51.054 44.45,49.08 ; 37.719,24.511 41.449,24.511 43.307,24.511 44.323,25.527 v1(45.339,25.527) ; U8.9@43.18,47.81 44.45,49.08 ; R42.1@45.593,45.504 45.593,46.647 45.466,46.774 v1(45.466,49.276) 45.27,49.08 44.45,49.08 ; v1(51.435,21.971) 52.705,20.701 v1(52.705,17.78) ; v1(51.943,14.097) 53.086,12.954 R6.2@55.053,12.954 ; v1(53.594,24.13) 53.675,24.211 U20.14@54.311,24.211 54.311,23.769 53.721,23.179 53.685,23.179 53.275,22.769 53.275,22.189 53.685,21.779 53.786,21.779 54.229,21.336 55.88,21.336 56.896,22.352 ; v1(54.483,49.657) 54.61,49.53 C98.2@54.61,48.706 ; U20.11@56.261,24.211 56.261,22.987 56.896,22.352 ; U3.1@56.404,48.471 53.678,48.471 53.086,47.879 53.086,44.958 53.575,44.469 61.868,44.469 63.311,45.912 63.311,47.69 ; C61.2@59.817,22.795 59.498,22.795 59.055,22.352 56.896,22.352 ; U15.14@61.387,49.104 61.387,47.863 C97.2@61.214,47.69 63.311,47.69 ; U13.8@69.266,46.24 70.243,46.24 v1(70.866,46.863) 71.247,47.244 71.247,48.006 72.325,49.084 C96.2@76.327,49.084 77.089,49.084 ; v1(70.104,44.831) 66.17,44.831 63.311,47.69 ; U17.11@73.279,56.21 73.279,55.626 74.469,54.436 75.332,54.436 76.2,53.568 76.2,51.835 77.089,50.946 77.089,49.084 ; U14.5@78.127,52.07 78.371,52.07 79.248,51.193 79.248,50.927 79.629,50.546 79.629,50.191 78.522,49.084 77.089,49.084
  Top Layer w0.5: R44.1@24.257,56.477 24.257,50.8 29.567,45.49 C60.2@29.567,45.085 ; L5.2@26.162,40.635 26.792,40.635 27.751,41.594 C89.2@27.751,42.672 27.94,42.672 C60.2@29.567,44.299 ; C16.2@32.385,29.526 31.942,29.526 31.242,30.226 31.242,36.322 31.242,43.41 C60.2@29.567,45.085 ; R13.2@35.56,50.865 34.29,49.595 U8.16@34.29,47.81 32.316,47.81 29.591,45.085 C60.2@29.567,45.085
  Bottom Layer w0.3: v1(45.339,25.527) 50.673,25.527 52.07,24.13 ; v1(45.466,49.276) 54.102,49.276 v1(54.483,49.657) ; v1(51.435,21.971) 51.435,23.495 52.07,24.13 ; v1(51.943,14.097) 52.705,14.859 v1(52.705,17.78) ; v1(53.594,24.13) 52.07,24.13 ; v1(70.104,44.831) 70.866,45.593 v1(70.866,46.863)
5V: C112.2 C113.2 U2.3 U19.2 U19.4 | length 18.4
  Top Layer w0.2: C113.2@34.798,21.655 34.848,21.605 U2.3@36.547,21.605 37.298,21.605 38.1,20.803 38.1,16.232 C112.2@37.87,16.002 C112.2@37.719,15.851
  Top Layer w0.5: U19.4@37.719,6.221 U19.2@37.719,12.321 C112.2@37.719,15.851
12.288MHZ: R20.2 TP6.1 U2.6 U3.10 U9.15 | length 75.8
  Top Layer w0.2: U9.15@31.228,67.011 31.228,66.054 34.29,62.992 34.29,57.466 R20.2@35.622,56.134 37.146,54.61 TP6.1@40.386,54.61 54.415,54.61 U3.10@56.404,52.621 ; v1(36.322,17.78) 37.084,17.78 37.592,18.288 37.592,19.304 37.241,19.655 U2.6@36.547,19.655
  Bottom Layer w0.2: v1(36.322,17.78) 36.322,27.463 36.282,27.503 36.282,28.408 37.725,29.851 37.725,48.647 37.719,48.652 v1(37.719,54.356)
15V: 15V.1 C85.2 C88.1 C100.2 C101.2 C102.2 C103.2 D1.2 D4.1 D5.1 R41.2 R43.2 U16.3 U17.3 | length 135.6
  Top Layer w0.2: R43.2@21.882,45.974 22.606,46.698 v1(22.606,46.939) ; D5.1@68.072,60.826 76.701,60.826 78.74,62.865 ; C100.2@81.322,62.152 81.322,61.172 15V.1@81.915,60.579
  Top Layer w0.5: C88.1@22.087,43.002 22.087,42.635 21.565,42.113 21.565,41.231 D1.2@21.463,41.13 21.978,41.13 v1(22.657,41.808) ; R41.2@27.178,24.422 v1(27.178,28.321) ; v1(27.584,49.581) 28.92,49.581 C85.2@29.007,49.494 ; v1(38.481,56.642) 40.513,56.642 44.831,60.96 v1(48.641,60.96) 49.592,60.96 C102.2@49.911,60.641 51.298,60.641 C103.2@51.468,60.471 51.823,60.826 D4.1@53.848,60.826 60.699,60.826 62.865,62.992 U16.3@62.865,65.71 ; U17.3@77.089,65.71 77.089,64.516 78.74,62.865 81.322,62.865 C100.2@81.322,62.152 79.932,62.152 v1(79.502,61.722)
  Bottom Layer w0.2: v1(22.606,46.939) 22.657,46.99 v1@22.784,47.117
  Bottom Layer w0.5: v1@22.657,46.99 v1(22.657,41.808) 28.956,35.509 28.956,30.099 v1(27.178,28.321) ; v1@22.784,47.117 25.248,49.581 v1(27.584,49.581) 31.42,49.581 v1(38.481,56.642) ; v1(48.641,60.96) 49.403,61.722 v1(79.502,61.722)
AGND: C40.1 C42.1 C43.1 R29.1 R66.1 U9.9 | length 25
  Top Layer w0.2: v1(27.263,65.067) v1@27.263,65.132 ; v1@27.263,65.194 v1@27.263,65.132 ; U9.9@28.953,69.786 28.125,69.786 28.125,69.689 28.118,69.682 28.009,69.682 27.075,68.748 27.075,68.639 26.12,67.685 R29.1@26.12,66.275 v1@27.263,65.132 ; C42.1@40.409,68.242 C43.1@40.409,67.074 v1(40.409,66.021) 41.003,66.021 R66.1@41.83,65.194
  Bottom Layer w0.2: v1(27.263,65.067) 28.802,66.606 39.824,66.606 v1(40.409,66.021)
BCLK: BCLK.1 U2.8 U6.16 U7.16 U8.4 U9.21 U18.11 | length 90.6
  Top Layer w0.2: U9.21@34.228,67.011 34.228,65.984 37.396,62.816 37.501,62.816 37.846,62.471 v1(37.846,62.23) ; U6.16@36.525,29.618 36.525,29.118 37.025,28.618 v1(37.676,28.618) ; U7.16@36.525,36.318 37.258,35.585 v1(39.751,35.585) ; U8.4@38.1,42.36 38.1,41.529 38.862,40.767 v1(39.116,40.767) ; v1(40.51,19.5) 41.005,19.005 U2.8@42.447,19.005 ; v1(41.656,34.671) 42.291,34.036 44.196,34.036 45.593,35.433 BCLK.1@45.593,35.56 46.736,34.417 46.736,31.623 49.022,29.337 53.467,29.337 53.975,28.829 58.029,28.829 58.871,29.671 U18.11@58.871,30.471
  Bottom Layer w0.2: v1(37.676,28.618) 39.243,28.618 ; v1(37.846,62.23) 39.909,60.167 39.909,45.992 39.398,45.481 39.355,45.481 38.974,45.1 38.974,44.562 39.624,43.912 39.624,41.91 39.116,41.402 v1(39.116,40.767) 39.609,40.274 39.715,40.274 40.096,39.893 40.096,39.355 40.04,39.298 40.04,35.874 v1(39.751,35.585) ; v1(40.51,19.5) 38.354,21.656 38.354,26.195 38.687,26.528 38.75,26.528 39.385,27.163 39.385,27.955 39.243,28.097 39.243,28.618 ; v1(41.656,34.671) 40.924,34.671 40.01,35.585 v1(39.751,35.585) ; 39.243,28.618 39.525,28.618 39.782,28.874 39.782,32.894 39.868,32.979 39.868,35.469 v1(39.751,35.585)
BRIDGE: C22.1 C25.1 C28.1 C31.1 C33.1 L1.2 L2.2 L3.2 L4.2 Q2.3 Q3.3 | length 27.3
  Top Layer w2: C33.1@32.851,96.412 34.991,98.552 56.007,98.552 58.293,96.266
GATE: TP28.1 U14.6 U16.14 U17.12 | length 29.6
  Top Layer w0.2: U16.14@62.865,56.21 62.865,57.277 63.5,57.912 73.914,57.912 74.549,57.277 U17.12@74.549,56.21 74.549,55.88 77.216,53.213 77.216,51.857 77.953,51.12 U14.6@78.127,51.12 78.42,51.12 78.74,50.8 v1(78.74,50.292) ; v1(82.042,54.102) 82.804,53.34 TP28.1@83.566,53.34
  Bottom Layer w0.2: v1(78.74,50.292) 79.248,50.292 82.042,53.086 v1(82.042,54.102)